# Altium PCB PCB1.PcbDoc
Units mil, origin at the board's own origin, x right, y up, seen from the top; angles counter-clockwise.
Board outline 4600 x 2600 mil, 4 copper layers (Top Layer, GND, Power, Layer 3), stack 23.756 mil thick; 59 components, 35 nets, 238 pads, 104 vias.
Unrouted connection lines stored in the file: 6.
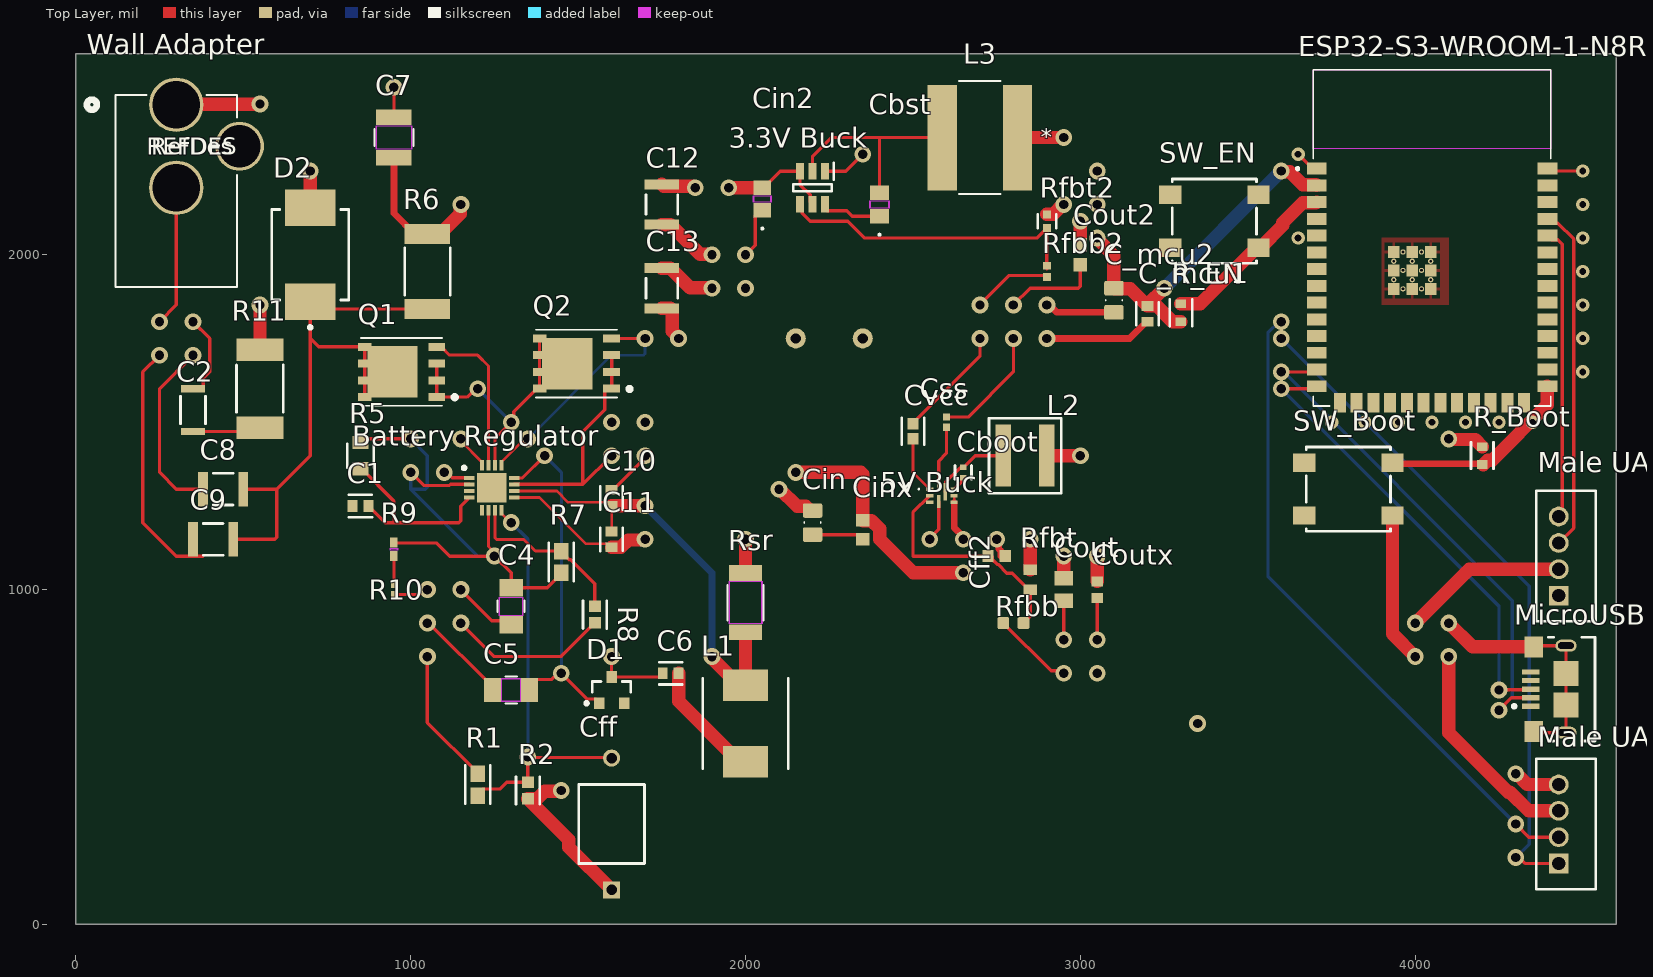
[diagram p0: Top Layer view]
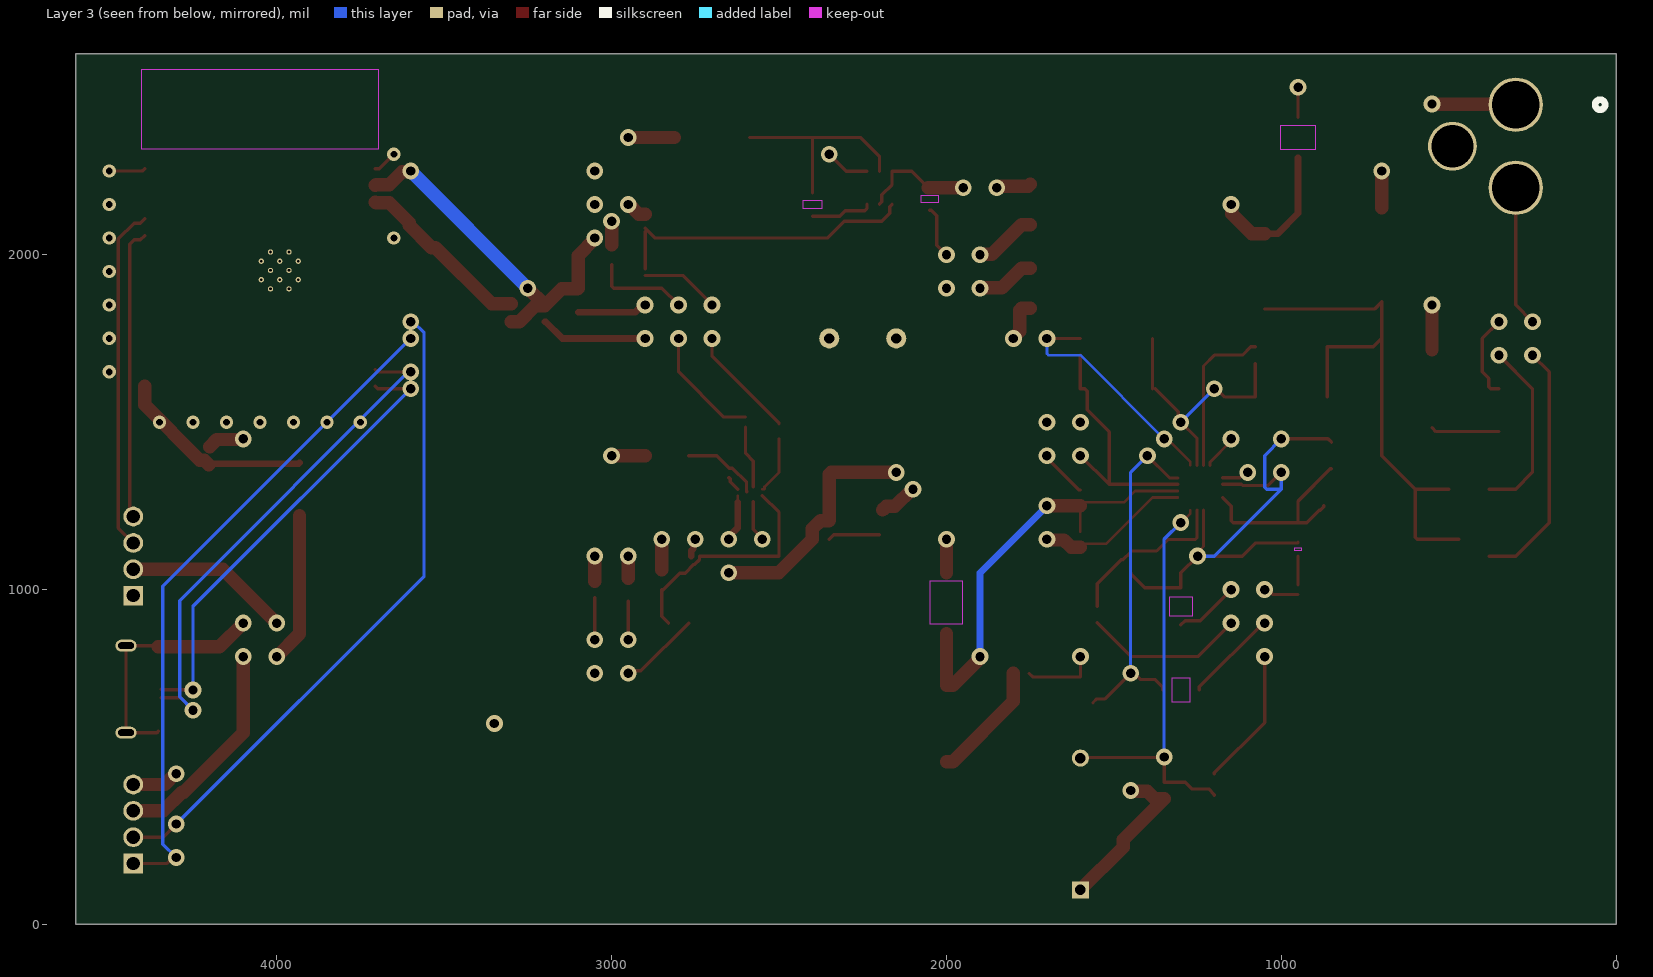
[diagram p1: Layer 3 view, seen from below]
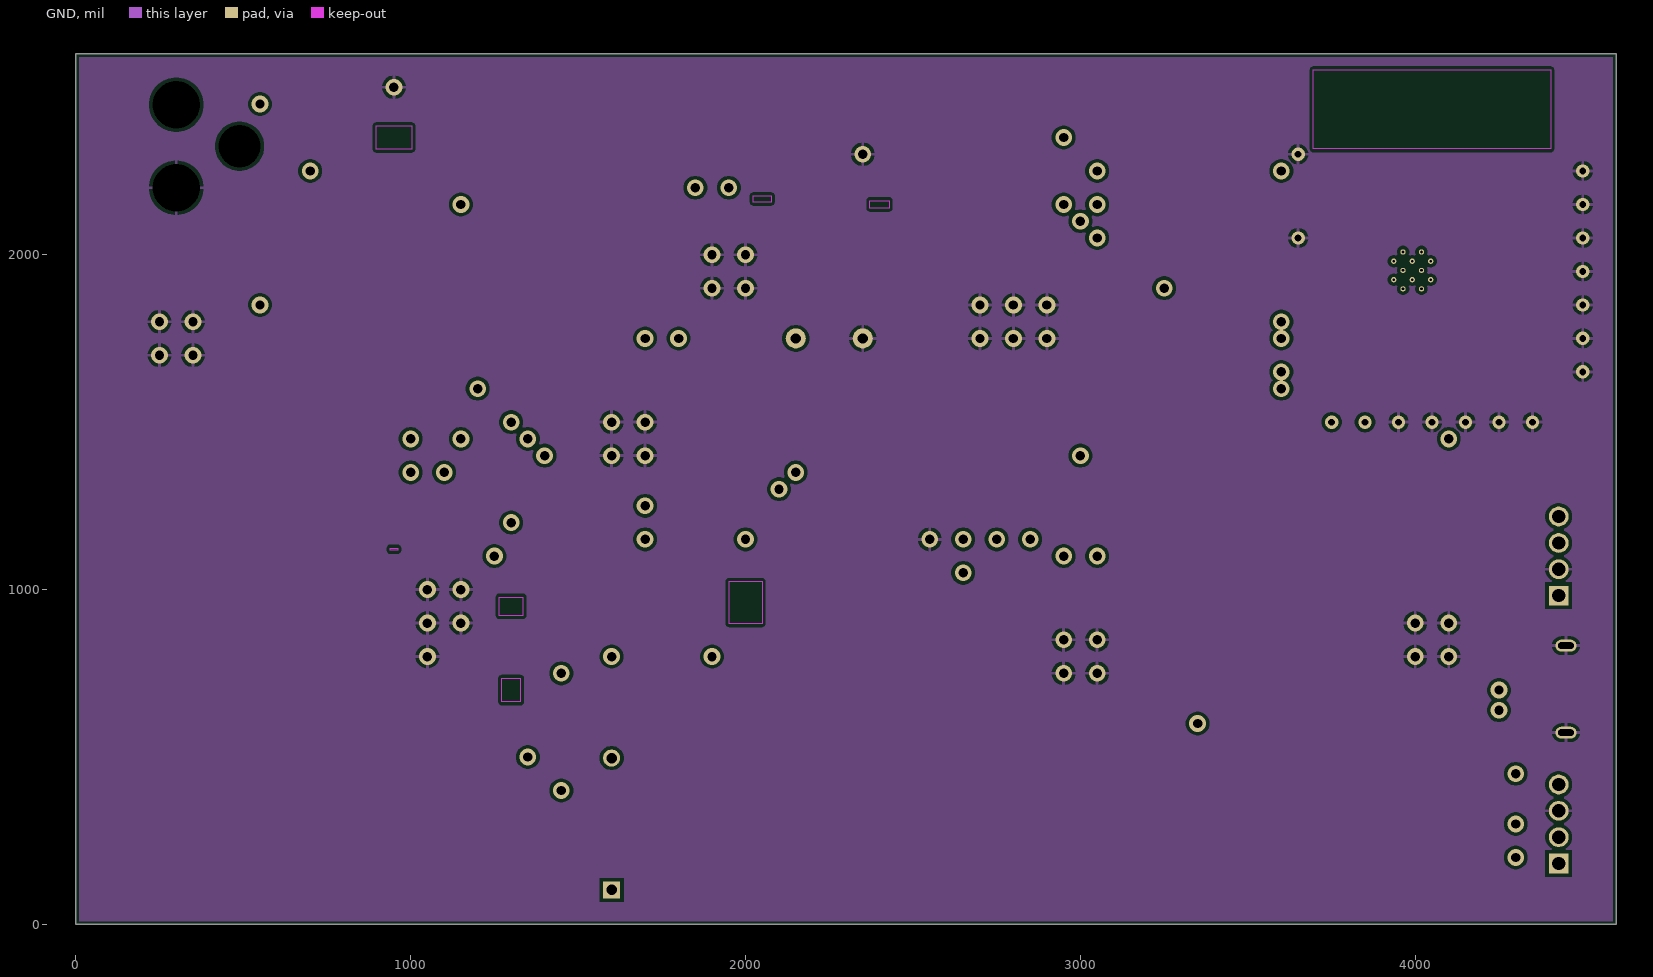
[diagram p2: GND]
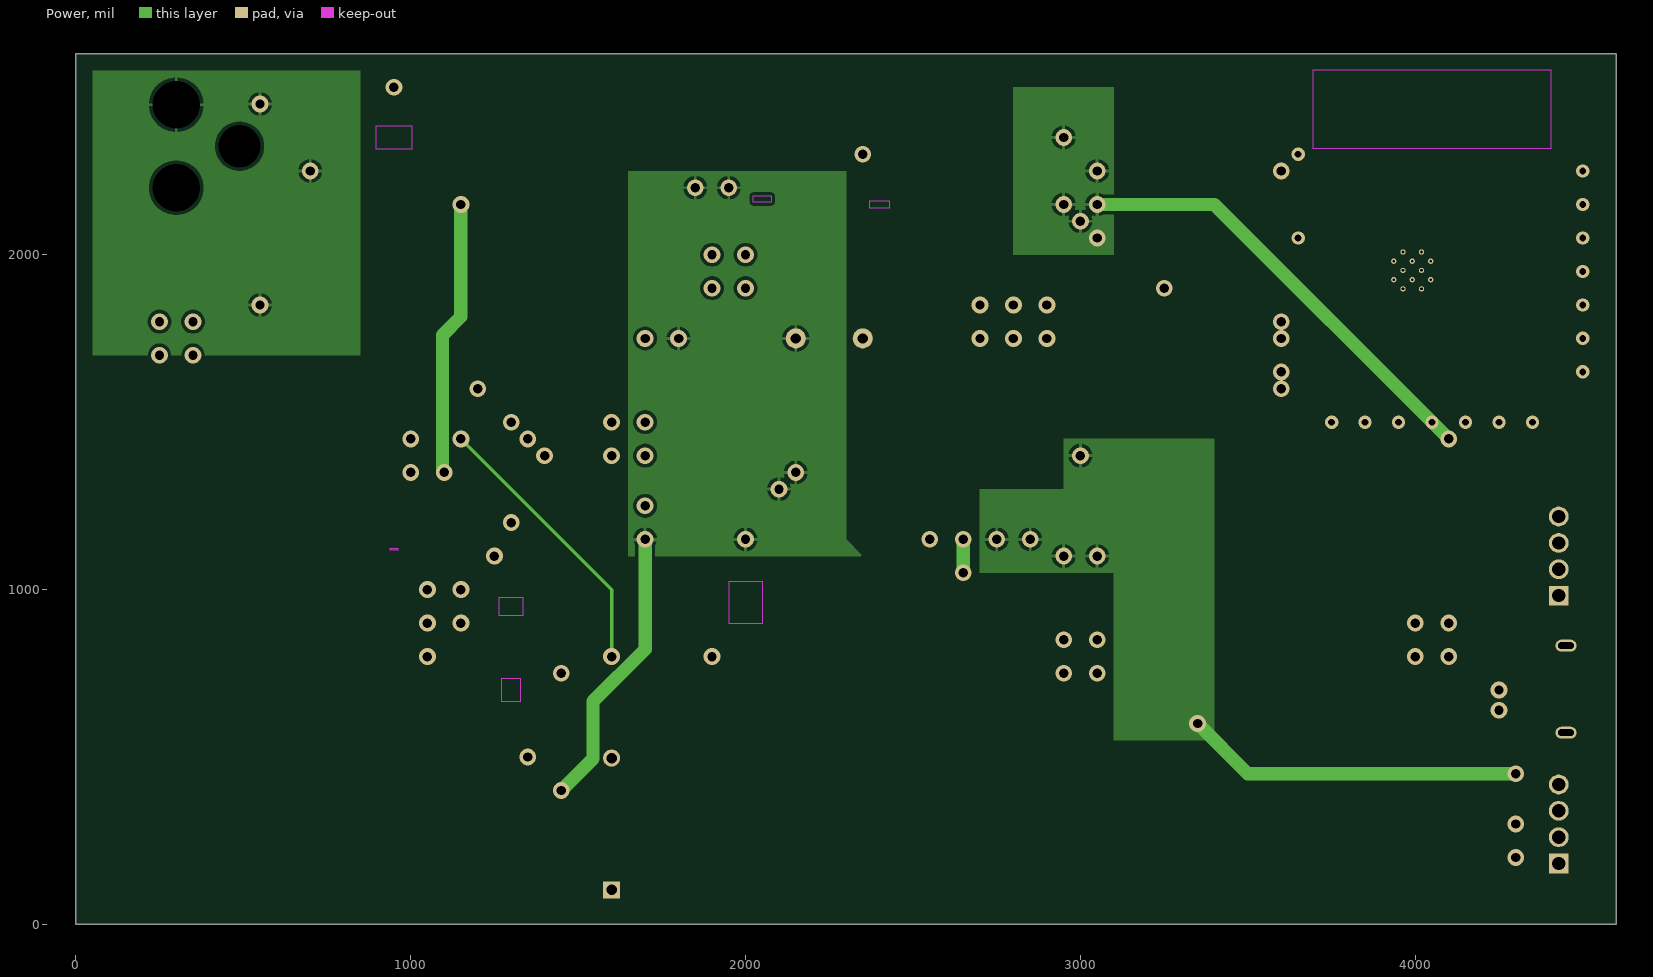
[diagram p3: Power]
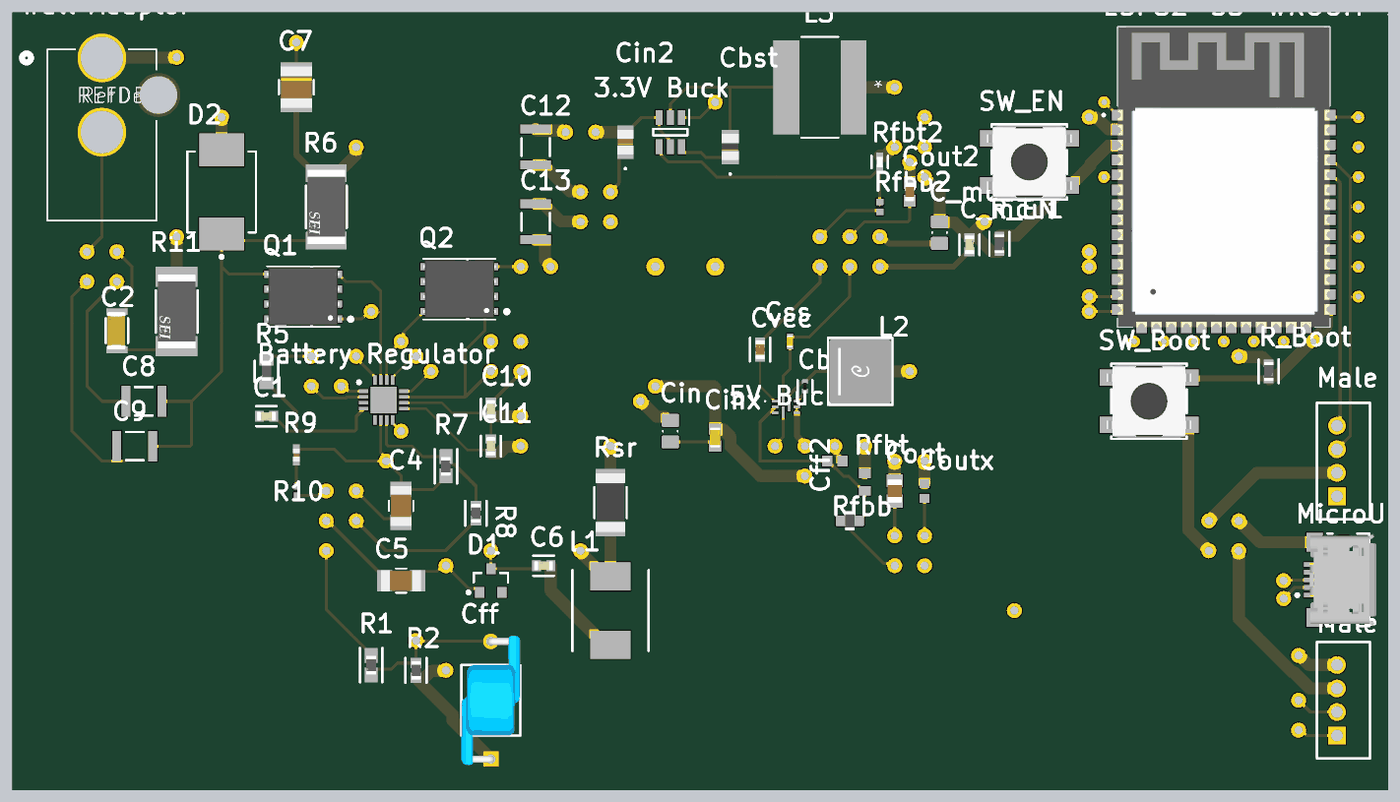
[diagram p4: 3D render of the assembled board from above, using the file's embedded part models]

## Layer stack, top to bottom
Top Solder: solder mask 0.4, Solder Resist, Dk 3.5
Top Layer: signal copper 1.4
Dielectric 2: prepreg 2.8, PP-006, Dk 4.1
GND: signal copper 1.378
Dielectric 1: core 12.6, FR-4, Dk 4.8
Power: signal copper 1.378
Dielectric 3: prepreg 2.8, PP-006, Dk 4.1
Layer 3: signal copper 1.4
Bottom Solder: solder mask 0.4, Solder Resist, Dk 3.5

## Board outline
0,0 4600,0 4600,2600 0,2600

## Design rules (kind name [scope] priority, off if disabled: settings)
BoardOutlineClearance [All] p1: gap=10 ignorepadtopadclearanceinfootprint=FALSE except(0: Arc-SplitContinuation Track-SplitContinuation SMDPad-SplitContinuation THPad-SplitContinuation Via-SplitContinuation Fill-SplitContinuation Poly-SplitContinuation Region-SplitContinuation Text-SplitContinuation)
Clearance [All] p1: gap=10 ignorepadtopadclearanceinfootprint=FALSE
PolygonConnect [All] p1: connectstyle=Relief reliefconductorwidth=10 reliefentries=4 polygonreliefangle="90 Angle" airgapwidth=10
RoutingVias [All] p1: holewidth=28 width=50 viastyle="Through Hole" minholewidth=28 minwidth=50 maxholewidth=28 maxwidth=50
SolderMaskExpansion [All] p1: expansion=4 istentingtop=FALSE
SupplyNets "Schematic Supply Nets" [InNet('GND')] p1: voltage=0.000
SupplyNets "Schematic Supply Nets_3" [InNet('5V DC')] p2: voltage=0.000
SupplyNets "Schematic Supply Nets_2" [InNet('3.3V DC')] p3: voltage=0.000
Width [All] p1: maxlimit=40 minlimit=5 preferedwidth=10
30 further rules are at their usual default settings.

## Classes and differential pairs
component class "Power System": "3.3V Buck" "5V Buck" "Battery Regulator" C1 C2 C4 C5 C6 C7 C8 C9 C10 C11 C12 C13 Cboot Cbst Cff Cff2 Cin Cin2 Cinx Cout Cout2 Coutx Css Cvcc D1 D2 L1 L2 L3 Q1 Q2 R1 R2 R5 R6 R7 R8 R9 R10 R11 Rfbb Rfbb2 Rfbt Rfbt2 Rsr "Wall Adapter"
component class Microcontroller: C_mcu1 C_mcu2 ESP32-S3-WROOM-1-N8R8 "Male UART Programming" "Male UART Radar" MicroUSB R_Boot R_EN SW_Boot SW_EN

## Components (designator, comment, footprint, x,y, rotation, side; value= is the part's Value field where it differs from the comment)
"3.3V Buck" "TPS563209DDCR" SOT95P280X110-6N 2200,2200 r270 top
"5V Buck" "TPS566238RQFR" TPS566238RQFR 2586.42,1280.32 r0 top
"Battery Regulator" "BQ24600RVAR" QFN50P350X350X100-17N-D 1242.13,1304.33 r0 top
C1 "C0603C104K4RAC7411" FP-C0603C-CF-MFG 850,1250 r180 top value="0.10 μF"
C2 "CGA5L3X7R1H225K160AB" FP-CGA5L-0_3-0_1-IPC_C 350,1536.02 r90 top
C4 "C1206C105K4RACTU" CAPC340180_140N_KEM 1300,950 r90 top
C5 "C1206C105K4RACTU" CAPC340180_140N_KEM 1300,700 r0 top
C6 "C0603C104K4RAC7411" FP-C0603C-CF-MFG 1776.38,750 r0 top value="0.10 μF"
C7 "GRM32ER71H105KA01L" CAP_GRM32ED_MUR 950,2350 r270 top
C8 "GRM32ER7YA106KA12L" CAPC3225X270X30LL30 439.96,1300 r0 top
C9 "GRM32ER7YA106KA12L" CAPC3225X270X30LL30 410.04,1150 r0 top
C10 "C0603C104K5RACTU" FP-C0603C-CF-MFG 1600,1273.62 r270 top value="0.10 μF"
C11 "C0603C104K4RAC7411" FP-C0603C-CF-MFG 1600,1150 r270 top value="0.10 μF"
C12 "GRM32ER7YA106KA12L" CAPC3225X270X30LL30 1750,2150 r270 top
C13 "GRM32ER7YA106KA12L" CAPC3225X270X30LL30 1750,1900 r90 top
C_mcu1 "C0603C104K4RAC7411" FP-C0603C-CF-MFG 3200,1823.62 r270 top value="0.10 μF"
C_mcu2 "MSASE21GBB5226MTNA01" CAPC2012X145N 3100,1863.98 r90 top
Cboot "GRM155R71C104KA88D" FP-GRM15-MFG 2650,1350 r90 top value=0.10μF
Cbst "08053C104KAT2A" CAP_X7R_0805_AVX 2400,2150 r90 top
Cff "DE11XRB220KN4AR01F" FP-DE1_D6_T5_F10_d0_6-0_0-MFG 1600,300 r90 top
Cff2 "06033A330JAT2A" CAPC1608X90X35LL15T15 2750,1100 r180 top
Cin "MSASE21GBB5226MTNA01" CAPC2012X145N 2200,1200 r90 top
Cin2 "MSAST219LB5106KTNA01" CAP_MSAS21-9_TAY 2050,2166.5 r90 top
Cinx "GRM188R71H104KA93D" CAPC1608X90X35ML10T15 2350,1178.54 r90 top
Cout "LMK212BJ226MG-T" CAPC2012X135N 2950,1000 r90 top
Cout2 "GRM188R60J226MEA0D" CAPC1608X100N 3000,2000 r90 top
Coutx "GRM188R71E104KA01D" CAPC1608X90X35LL10T15 3050,1000 r90 top
Css "GRM155R71C103KA01D" CAPC1005X55X25LL05T10 2600,1500 r270 top
Cvcc "EMK107B7105KA-T" FP-0603-L_1_6_0_1-W_0_8_0-IPC_C 2500,1472.72 r90 top
D1 "BAT54CLT3G" ONSC-SOT-23-3-318-08_V 1600,700 r90 top
D2 "MBRS540T3G" ONSC-SMC-2-403-03_V 700,2000 r90 top
ESP32-S3-WROOM-1-N8R8 "" XCVR_ESP32S3WROOM1N8R8 4050,2050 r0 top
L1 "IHLP2525CZER3R3MA1" INDPM6965X300N 2000,600 r90 top
L2 "XAL5030-222MEB" FP-XAL5030-222MEB-MFG 2834.84,1400 r0 top
L3 "SRN8040-2R2Y" IND_BOURNS_SRN8040 2700,2350 r180 top
"Male UART Programming" "B4B-PH-K-S(LF)(SN)" JST-B4B-PH-K-S_V 4450,1100 r90 top
"Male UART Radar" "B4B-PH-K-S(LF)(SN)" JST-B4B-PH-K-S_V 4450,300 r90 top
MicroUSB "10118193-0001LF" FCI-10118193-0001LF-5_V 4396.85,702.76 r90 top
Q1 "SIR426DP-T1-GE3" TRANS_SIRA90DP-T1-GE3 972.83,1650 r180 top
Q2 "SIR426DP-T1-GE3" TRANS_SIRA90DP-T1-GE3 1494.88,1675 r180 top
R1 "RR0816P-104-D" FP-RR0816-IPC_A 1200,417.49 r270 top
R2 "RR0816P-304-D" FP-RR0816-IPC_C 1350,400 r270 top
R5 "RR0816P-101-D" FP-RR0816-MFG 850,1400 r270 top
R6 "RMCF2512JT10R0" FP-RMCF2512-IPC_B 1050,1950 r270 top
R7 "RR0816P-104-D" FP-RR0816-IPC_A 1450,1082.51 r90 top
R8 "RR0816P-154-D" FP-RR0816-IPC_C 1550,925.37 r270 top
R9 "RMCF0402FT9K31" RES_RMCF0402_STP 950,1120.5 r90 top
R10 "RC0402FR-07442KL" RESC1005X40X25LL05T10 950,1000 r90 top
R11 "RMCF2512JT2R00" FP-RMCF2512-IPC_A 550,1600 r270 top
R_Boot "RC0603FR-0710KL" FP-RC0603-0_55-IPC_C 4200,1400 r270 top
R_EN "RC0603FR-0710KL" FP-RC0603-0_55-IPC_C 3300,1826.64 r270 top
Rfbb "SMD-RES-30K-1%-1/10W(0603)" R0603 2800,900 r90 top
Rfbb2 "M55342K11B10E0RS3" RESC0905X41N 2900,1950 r90 top
Rfbt "RC0603FR-07220KL" RESC1608X55X25ML10T15 2850,1029.53 r90 top
Rfbt2 "CRCW040233K2FKED" Vishay_CRCW0402-e3_MFG 2900,2100 r90 top
Rsr "WSL2010R0100FEA18" RC2010N_VIS 2000,961.31 r270 top
SW_Boot "430473035826" 430473035826 3800,1300 r180 top
SW_EN "430473035826" 430473035826 3400,2100 r0 top
"Wall Adapter" "DCJ200-10-A-K1-K" CONN3_DCJ200-10-A-K1-K_GCT 300,2448.03 r0 top

## Footprints (in the part's own frame and the unit in brackets; to place one, negate y for a bottom-side part, rotate by r counter-clockwise, add the part's x,y. Pads: shape width x height; smd on the part's side, far side on the other; paste and mask are expansions set on the pad)
430473035826 [mm] "SMD Tact Switch, body 6x6mm"
  rect 1.7x1.4 smd: A1(-3.35,2) A2(3.35,2) B1(-3.35,-2) B2(3.35,-2)
  silkscreen extent -3.2,-3.2 3.2,3.2, body extent -3.6,-3.1 3.6,3.1, height 3.5
CAP_GRM32ED_MUR [mil]
  rect 46x106 smd paste+0 mask+0: 1(-60,0) 2(60,0)
  Top Layer keep-out region: -35,-51 -35,51 35,51 35,-51
  Keep-Out Layer region: -35,-53 -35,53 35,53 35,-53
  silkscreen extent -25,-58 25,58, body extent -69,-53 69,53, height 106
CAP_MSAS21-9_TAY [mil]
  rect 44x53 smd paste+0 mask+0: 1(-33.5,0) 2(33.5,0)
  Top Layer keep-out region: -9.5,-24.5 -9.5,24.5 9.5,24.5 9.5,-24.5
  Keep-Out Layer region: -9.5,-26.5 -9.5,26.5 9.5,26.5 9.5,-26.5
  silkscreen extent -91,-3 -86,3, body extent -41,-26 41,26, height 37
CAP_X7R_0805_AVX [mil]
  rect 43.78x57 smd paste+0 mask+0: 1(-35.39,0) 2(35.39,0)
  Top Layer keep-out region: -11.5,-26.5 -11.5,26.5 11.5,26.5 11.5,-26.5
  Keep-Out Layer region: -11.5,-28.5 -11.5,28.5 11.5,28.5 11.5,-28.5
  silkscreen extent -93,-3 -87,3, body extent -44,-29 44,29, height 37
CAPC1005X55X25LL05T10 [mm] "Chip Capacitor, 2-Leads, Body 1.05x0.55mm, IPC High Density"
  rect 0.56x0.52 smd: 1(-0.39,0) 2(0.39,0)
  body extent -0.53,-0.28 0.53,0.28, height 0.55
CAPC1608X90X35LL10T15 [mm] "Chip Capacitor, 2-Leads, Body 1.60x0.80mm, IPC High Density"
  rect 0.75x0.85 smd: 1(-0.625,0) 2(0.625,0)
  body extent -0.85,-0.45 0.85,0.45, height 0.9
CAPC1608X90X35LL15T15 [mm] "Chip Capacitor, 2-Leads, Body 1.60x0.81mm, IPC High Density"
  rect 0.85x0.9 smd: 1(-0.65,0) 2(0.65,0)
  body extent -0.88,-0.48 0.87,0.48, height 0.9
CAPC1608X90X35ML10T15 [mm] "Chip Capacitor, 2-Leads, Body 1.7x0.9mm, IPC Low Density"
  rect 0.95x1.05 smd: 1(-0.725,0) 2(0.725,0)
  body extent -0.85,-0.45 0.85,0.45, height 0.9
CAPC1608X100N [mm]
  rect 1x1.02 smd: 1(-0.759,0) 2(0.759,0)
  body extent -0.8,-0.4 0.8,0.4, height 1
CAPC2012X135N [mm]
  rect 1.1x1.38 smd: 1(-0.863,0) 2(0.863,0)
  body extent -1,-0.63 1,0.63, height 1.35
CAPC2012X145N [mm]
  rrect25% 1.1x1.48 smd paste+0 mask+0.102: 1(-0.915,0) 2(0.915,0)
  silkscreen extent -0.05,-0.63 0.05,0.63
CAPC3225X270X30LL30 [mm] "Chip Capacitor, 2-Leads, Body 3.5x2.7mm, IPC High Density"
  rect 0.75x2.6 smd: 1(-1.525,0) 2(1.525,0)
  silkscreen extent -0.75,-1.2 0.75,1.2, body extent -1.75,-1.35 1.75,1.35, height 2.7
CAPC340180_140N_KEM [mm]
  rect 1.306x1.8 smd paste+0 mask+0: 1(-1.403,0) 2(1.403,0)
  Top Layer keep-out region: -0.699,-0.849 -0.699,0.849 0.699,0.849 0.699,-0.849
  Keep-Out Layer region: -0.699,-0.9 -0.699,0.9 0.699,0.9 0.699,-0.9
  silkscreen extent -0.44,-1.03 0.44,1.03, body extent -1.7,-0.9 1.7,0.9, height 1.4
CONN3_DCJ200-10-A-K1-K_GCT [mil]
  round 162 / inner round 60 / far side round 162 hole 142 paste-99999 mask+0: 1(0,0) 2(0,-248.03)
  round 146 / inner round 60 / far side round 146 hole 126 paste-99999 mask-73: 3(188.98,-124.02)
  silkscreen extent -267,-544 182,29
FCI-10118193-0001LF-5_V [mm] "Micro, USB-B, 5-Leads, Body 7.86x5.05mm, Pitch 0.65 mm"
  rect 0.4x1.35 smd: 1(-1.3,1.325) 2(-0.65,1.325) 3(0,1.325) 4(0.65,1.325) 5(1.3,1.325)
  rect 1.6x1.4 smd: 6(-3.2,1.1) 7(3.2,1.1)
  rect 1.9x1.9 smd: 8(-1.2,-1.35) 9(1.2,-1.35)
  oval 0.9x1.6 hole 0.5 slot 1.2 at 90 deg: 10(-3.3,-1.35) 11(3.3,-1.35)
  silkscreen extent -3.93,-3.55 3.93,2.7, body extent -3.93,-4.16 3.93,1.5, height 2.83
FP-0603-L_1_6_0_1-W_0_8_0-IPC_C [mil]
  rect 33.77x31.97 smd paste+0 mask+0: 1(-22.72,0) 2(22.72,0)
  silkscreen extent -40,-33 40,33, body extent -44,-22 44,22, height 10
FP-C0603C-CF-MFG [mm]
  rect 0.75x0.9 smd paste+0 mask+0: 1(-0.6,0) 2(0.6,0)
  silkscreen extent -0.87,-0.85 0.88,0.85, body extent -1.2,-0.6 1.2,0.6, height 0.25
FP-CGA5L-0_3-0_1-IPC_C [mm]
  rect 0.556x1.806 smd paste+0 mask+0: 1(-1.625,0) 2(1.625,0)
  silkscreen extent -1.05,-0.95 1.05,0.95, body extent -2,-1.05 2,1.05, height 0.25
FP-DE1_D6_T5_F10_d0_6-0_0-MFG [mm]
  rect 1.3x1.3 hole 0.8 paste-2539.97 mask+0: 1(-5,0)
  round 1.3 hole 0.8 paste-2539.97 mask+0: 2(5,0)
  silkscreen extent -3,-2.5 3,2.5, body extent -5.75,-2.6 5.75,2.6, height 0.25
FP-GRM15-MFG [mm]
  rect 0.4x0.5 smd paste+0 mask+0: 1(-0.4,0) 2(0.4,0)
  silkscreen extent -0.53,-0.63 0.53,0.63, body extent -0.7,-0.38 0.7,0.38, height 0.25
FP-RC0603-0_55-IPC_C [mil]
  rect 25.93x31.97 smd paste+0 mask+0: 1(-26.64,0) 2(26.64,0)
  silkscreen extent -40,-33 40,33, body extent -44,-22 44,22, height 10
FP-RMCF2512-IPC_A [mil]
  rect 67.1x139.96 smd paste+0 mask+0: 1(-116.18,0) 2(116.18,0)
  silkscreen extent -71,-70 71,70, body extent -169,-90 169,90, height 10
FP-RMCF2512-IPC_B [mil]
  rect 59.22x136.02 smd paste+0 mask+0: 1(-112.24,0) 2(112.24,0)
  silkscreen extent -71,-68 71,68, body extent -152,-78 152,78, height 10
FP-RR0816-IPC_A [mil]
  rect 49.41x43.55 smd paste+0 mask+0: 1(-32.51,0) 2(32.51,0)
  silkscreen extent -57,-38 57,38, body extent -77,-41 77,41, height 10
FP-RR0816-IPC_C [mil]
  rect 33.66x35.68 smd paste+0 mask+0: 1(-24.63,0) 2(24.63,0)
  silkscreen extent -41,-35 41,35, body extent -45,-24 45,24, height 10
FP-RR0816-MFG [mm]
  rect 1x1.2 smd paste+0 mask+0: 1(-1,0) 2(1,0)
  silkscreen extent -0.9,-1 0.9,1, body extent -1.6,-0.7 1.6,0.7, height 0.25
FP-XAL5030-222MEB-MFG [mm]
  rect 1.18x4.7 smd paste+0 mask+0: 1(-1.655,0) 2(1.655,0)
  silkscreen extent -2.74,-2.84 2.74,2.84, body extent -2.84,-2.94 2.84,2.94, height 0.25
IND_BOURNS_SRN8040 [mil]
  rect 87x315 smd paste+0 mask+0: 1(-112.5,0) 2(112.5,0)
  silkscreen extent -62,-168 62,168
INDPM6965X300N [mm]
  rect 2.4x3.4 smd: 1(-2.9,0) 2(2.9,0)
  silkscreen extent -3.43,-3.23 3.43,3.23
JST-B4B-PH-K-S_V [mm] "Connector, 4-Leads, Body 9.9x4.5mm, Pitch 2mm"
  rect 1.5x1.5 hole 1: 1(-3,0.55)
  round 1.5 hole 1: 2(-1,0.55) 3(1,0.55) 4(3,0.55)
  silkscreen extent -4.95,-2.25 4.95,2.25, body extent -4.95,-2.25 4.95,2.25, height 6
ONSC-SMC-2-403-03_V [mil] "Molded, 2-Leads, Body 6.86x5.84mm"
  rect 110x150 smd: 1(-140.49,0) 2(140.49,0)
  silkscreen extent -222,-115 135,115, body extent -135,-115 135,115, height 99
ONSC-SOT-23-3-318-08_V [mm] "SOT23, 3-Leads, Body 2.92x1.3mm, Pitch 0.95mm"
  rect 0.9x0.8 smd: 1(-1,0.95) 2(-1,-0.95) 3(1,0)
  silkscreen extent -1.12,-1.46 0.65,2.02, body extent -0.65,-1.46 0.65,1.46, height 1.11
QFN50P350X350X100-17N-D [mm]
  rect 0.8x0.3 smd: 1(-1.7,0.75) 2(-1.7,0.25) 3(-1.7,-0.25) 4(-1.7,-0.75) 9(1.7,-0.75) 10(1.7,-0.25) 11(1.7,0.25) 12(1.7,0.75)